# Altium PCB PCB2.PcbDoc (part 3 of 3)
Units mm, origin at the board's own origin, x right, y up, seen from the top; angles counter-clockwise.
Board outline 240 x 180 mm, 2 copper layers (Top Layer, Bottom Layer); 208 components, 303 nets, 999 pads, 430 vias.
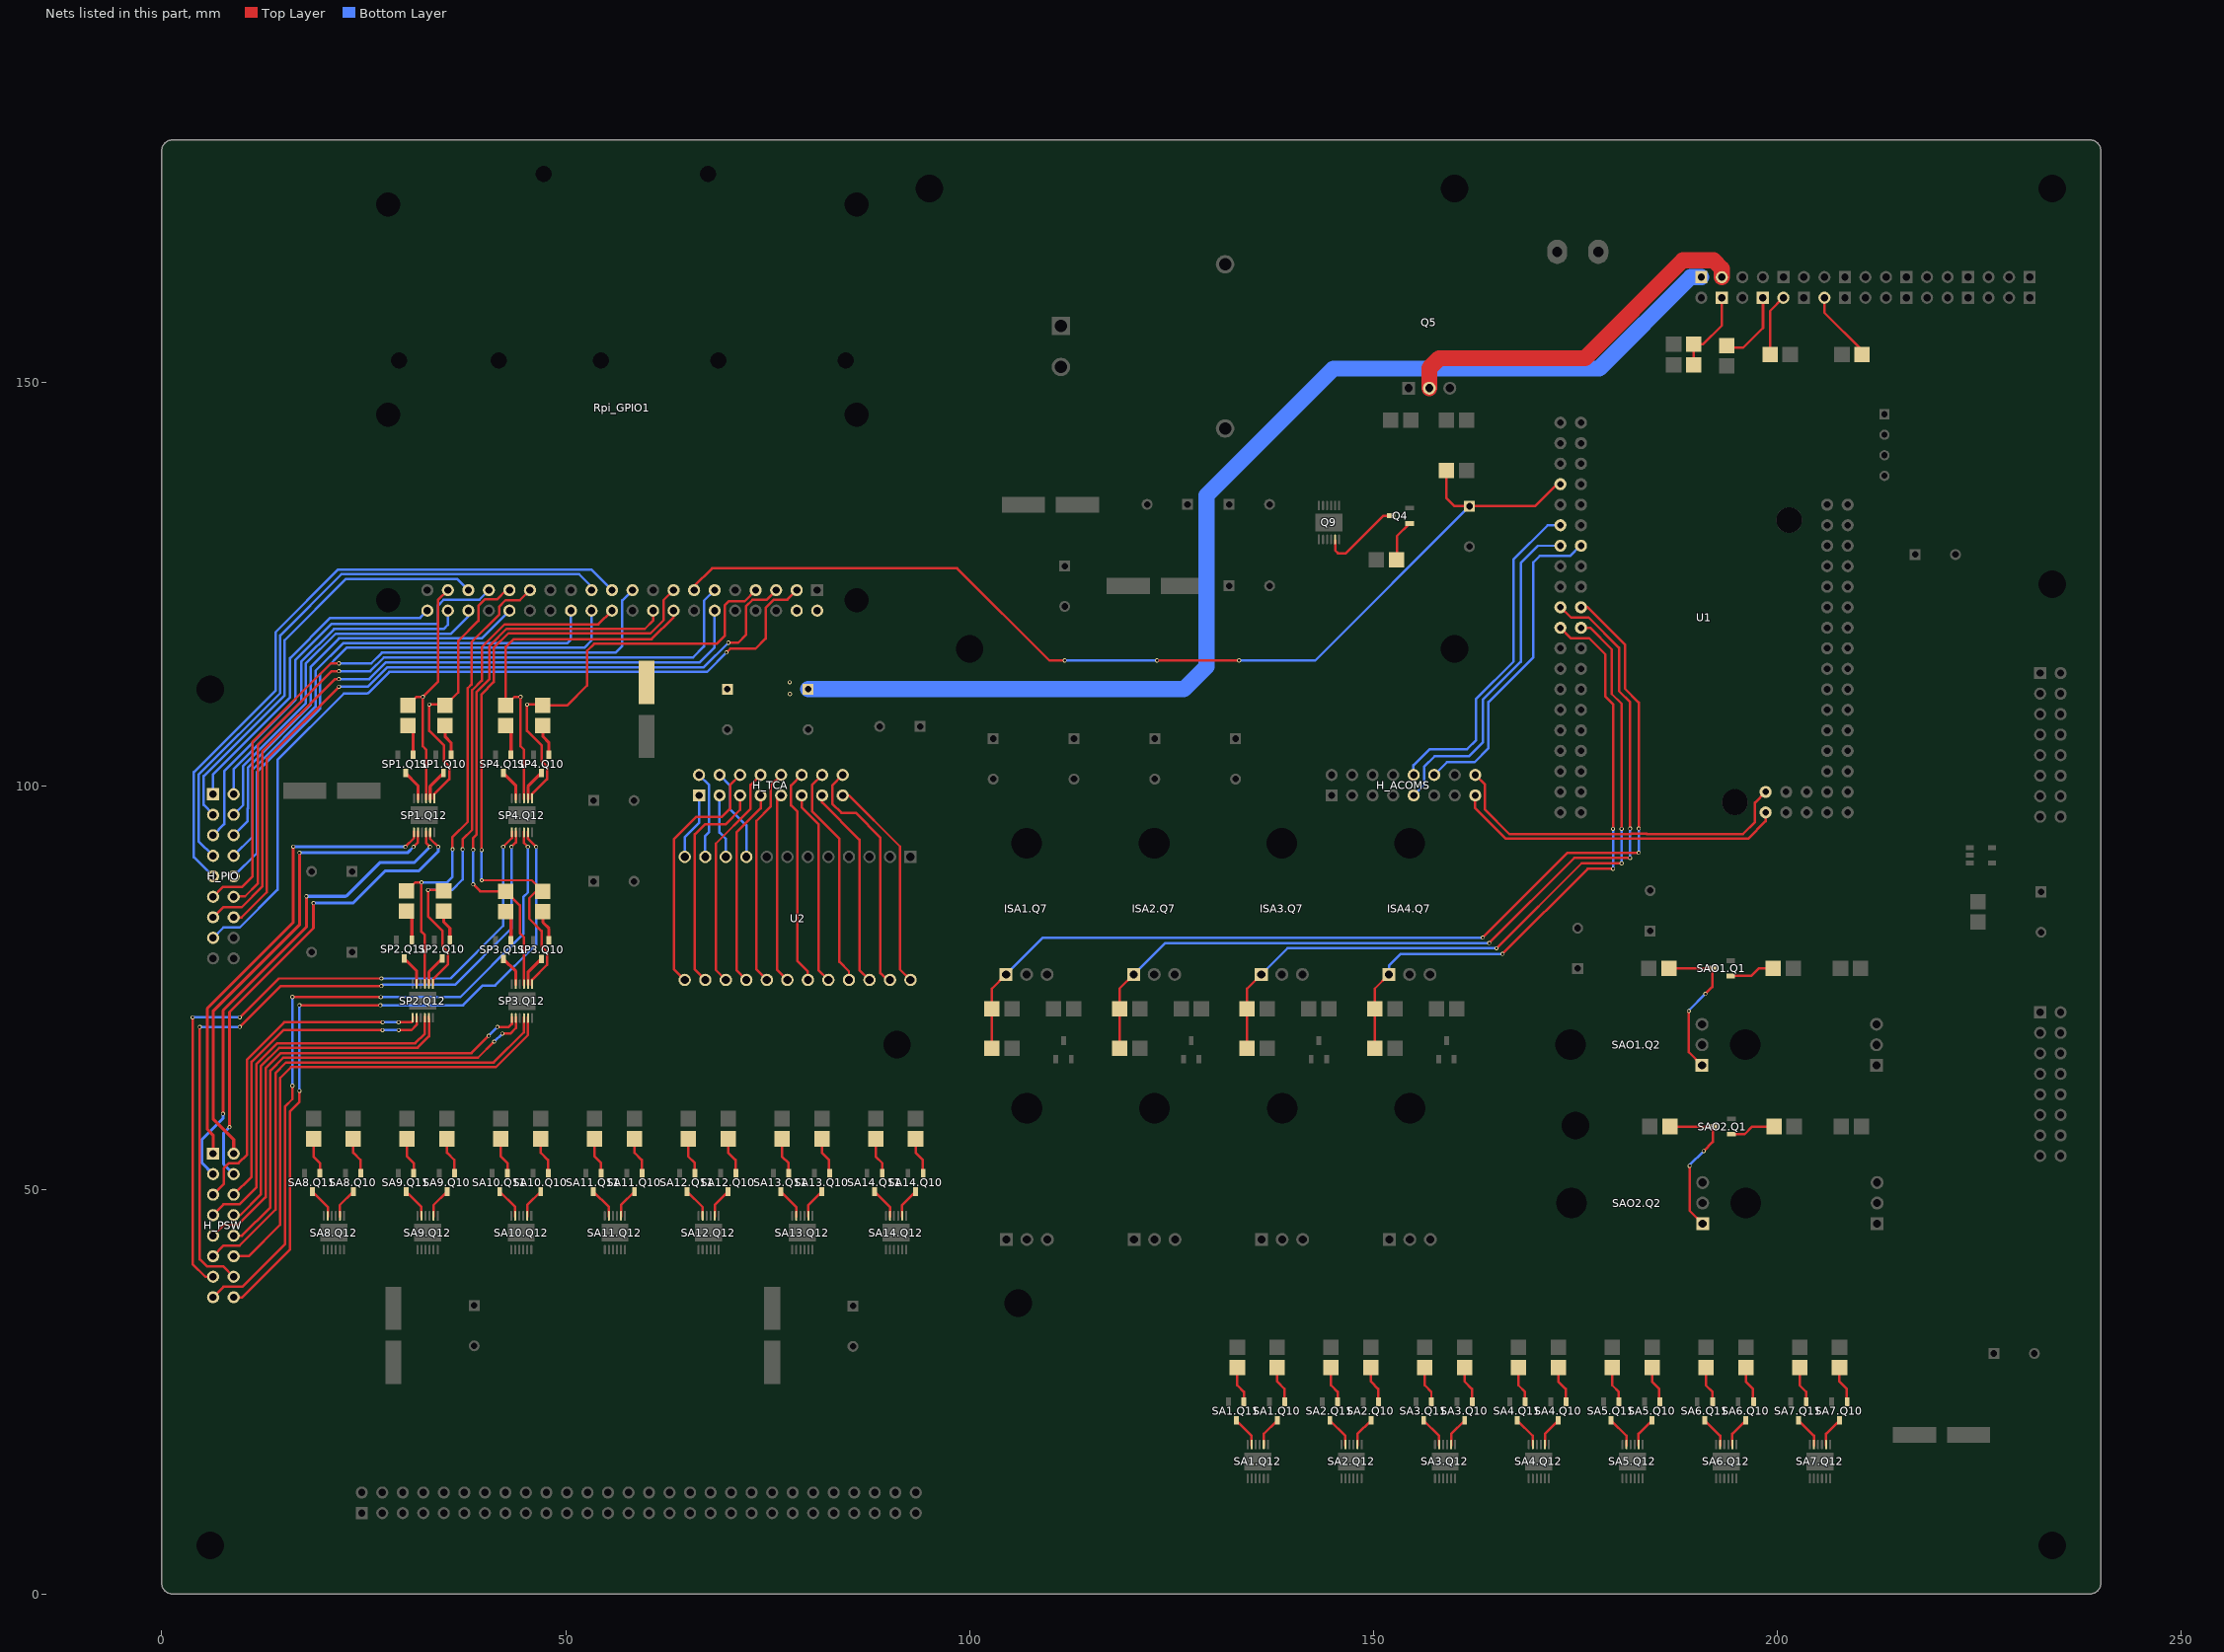
[diagram p3: the nets of this part, all layers, seen from the top]

## Via types
v1: diameter 0.5, hole 0.3, Top Layer to Bottom Layer, 422 vias
v2: diameter 1, hole 0.5, Top Layer to Bottom Layer, 8 vias

## Nets (pads, with @x,y where several pads share a name; then routed paths per layer and width w, separated by ;. In a path a pad name is that pad's centre, name@x,y a point inside that pad or via, vN(x,y) a via of type N, cw(c..) or ccw(c..) an arc to the next point about the centre after c; other vN are vias at no path point) (continued)
NetJ7_2: J7.2 Q5.2 | length 45.7
  Top Layer w2: Q5.2@156.894,149.28 156.894,151.77 158.117,152.993 176.177,152.993 188.284,165.1 192.084,165.1 193.103,164.08 J7.2@193.103,163.02
NetJ9_1: J9.1 R7.1 | length 9.3
  Top Layer w0.305: R7.1@193.684,154.3 195.744,154.3 198.183,156.74
  Top Layer w0.381: 198.183,156.74 J9.1@198.183,160.48
NetJ10_1: J10.1 R5.2 R6.1 | length 10.4
  Top Layer w0.305: R5.2@189.644,152.18 R6.1@189.644,154.7 190.77,154.7 193.103,157.033 J10.1@193.103,160.48
NetJ11_2: J11.2 R2.2 | length 9
  Top Layer w0.305: J11.2@205.803,160.48 205.803,158.63 210.474,153.96 R2.2@210.474,153.43
NetJ12_2: J12.2 R3.1 | length 7.7
  Top Layer w0.305: R3.1@199.064,153.43 199.064,158.82 J12.2@200.723,160.48
NetQ4_1: Q4.1 R10.2 | length 5.2
  Top Layer w0.305: R10.2@152.904,127.99 152.904,130.99 Q4.1@154.454,132.54
NetQ4_3: Q4.3 Q9.5 | length 10.2
  Top Layer w0.305: Q9.5@145.234,130.435 145.234,129.186 145.59,128.83 146.564,128.83 151.224,133.49 Q4.3@152.154,133.49
NetSA1.Q10_1: SA1.Q10.1 SA1.R11.2 | length 4.6
  Top Layer w0.305: SA1.R11.2@138.068,28.01 138.068,26.283 138.968,25.383 138.968,23.824 SA1.Q10.1@139.018,23.774
NetSA1.Q10_3: SA1.Q10.3 SA1.Q12.2 | length 3.8
  Top Layer w0.305: SA1.Q12.2@136.404,18.383 136.404,19.81 SA1.Q10.3@138.068,21.474
NetSA1.Q11_1: SA1.Q11.1 SA1.R12.2 | length 4.6
  Top Layer w0.305: SA1.R12.2@133.133,28.01 133.133,25.817 133.946,25.005 SA1.Q11.1@133.946,23.774 SA1.Q11.1@133.944,23.776
NetSA1.Q11_3: SA1.Q11.3 SA1.Q12.5 | length 3.9
  Top Layer w0.305: SA1.Q11.3@132.996,21.474 134.904,19.566 SA1.Q12.5@134.904,18.383
NetSA2.Q10_1: SA2.Q10.1 SA2.R11.2 | length 4.6
  Top Layer w0.305: SA2.R11.2@149.668,28.01 149.668,26.283 150.568,25.383 150.568,23.824 SA2.Q10.1@150.618,23.774
NetSA2.Q10_3: SA2.Q10.3 SA2.Q12.2 | length 3.8
  Top Layer w0.305: SA2.Q12.2@148.004,18.383 148.004,19.81 SA2.Q10.3@149.668,21.474
NetSA2.Q11_1: SA2.Q11.1 SA2.R12.2 | length 4.6
  Top Layer w0.305: SA2.R12.2@144.733,28.01 144.733,25.817 145.546,25.005 SA2.Q11.1@145.546,23.774 ; SA2.Q11.1@145.544,23.776 SA2.Q11.1@145.546,23.774
NetSA2.Q11_3: SA2.Q11.3 SA2.Q12.5 | length 3.9
  Top Layer w0.305: SA2.Q11.3@144.596,21.474 146.504,19.566 SA2.Q12.5@146.504,18.383
NetSA3.Q10_1: SA3.Q10.1 SA3.R11.2 | length 4.6
  Top Layer w0.305: SA3.R11.2@161.268,28.01 161.268,26.283 162.168,25.383 162.168,23.824 SA3.Q10.1@162.218,23.774
NetSA3.Q10_3: SA3.Q10.3 SA3.Q12.2 | length 3.8
  Top Layer w0.305: SA3.Q12.2@159.604,18.383 159.604,19.81 SA3.Q10.3@161.268,21.474
NetSA3.Q11_1: SA3.Q11.1 SA3.R12.2 | length 4.6
  Top Layer w0.305: SA3.R12.2@156.333,28.01 156.333,25.817 157.146,25.005 SA3.Q11.1@157.146,23.774 SA3.Q11.1@157.144,23.776
NetSA3.Q11_3: SA3.Q11.3 SA3.Q12.5 | length 3.9
  Top Layer w0.305: SA3.Q11.3@156.196,21.474 158.104,19.566 SA3.Q12.5@158.104,18.383
NetSA4.Q10_1: SA4.Q10.1 SA4.R11.2 | length 4.6
  Top Layer w0.305: SA4.R11.2@172.868,28.01 172.868,26.283 173.768,25.383 173.768,23.824 SA4.Q10.1@173.818,23.774
NetSA4.Q10_3: SA4.Q10.3 SA4.Q12.2 | length 3.8
  Top Layer w0.305: SA4.Q12.2@171.204,18.383 171.204,19.81 SA4.Q10.3@172.868,21.474
NetSA4.Q11_1: SA4.Q11.1 SA4.R12.2 | length 4.6
  Top Layer w0.305: SA4.R12.2@167.933,28.01 167.933,25.817 168.746,25.005 SA4.Q11.1@168.746,23.774 SA4.Q11.1@168.744,23.776
NetSA4.Q11_3: SA4.Q11.3 SA4.Q12.5 | length 3.9
  Top Layer w0.305: SA4.Q11.3@167.796,21.474 169.704,19.566 SA4.Q12.5@169.704,18.383
NetSA5.Q10_1: SA5.Q10.1 SA5.R11.2 | length 4.6
  Top Layer w0.305: SA5.R11.2@184.468,28.01 184.468,26.283 185.368,25.383 185.368,23.824 SA5.Q10.1@185.418,23.774
NetSA5.Q10_3: SA5.Q10.3 SA5.Q12.2 | length 3.8
  Top Layer w0.305: SA5.Q12.2@182.804,18.383 182.804,19.81 SA5.Q10.3@184.468,21.474
NetSA5.Q11_1: SA5.Q11.1 SA5.R12.2 | length 4.6
  Top Layer w0.305: SA5.R12.2@179.533,28.01 179.533,25.817 180.346,25.005 SA5.Q11.1@180.346,23.774 SA5.Q11.1@180.344,23.776
NetSA5.Q11_3: SA5.Q11.3 SA5.Q12.5 | length 3.9
  Top Layer w0.305: SA5.Q11.3@179.396,21.474 181.304,19.566 SA5.Q12.5@181.304,18.383
NetSA6.Q10_1: SA6.Q10.1 SA6.R11.2 | length 4.6
  Top Layer w0.305: SA6.R11.2@196.068,28.01 196.068,26.283 196.968,25.383 196.968,23.824 SA6.Q10.1@197.018,23.774
NetSA6.Q10_3: SA6.Q10.3 SA6.Q12.2 | length 3.8
  Top Layer w0.305: SA6.Q12.2@194.404,18.383 194.404,19.81 SA6.Q10.3@196.068,21.474
NetSA6.Q11_1: SA6.Q11.1 SA6.R12.2 | length 4.6
  Top Layer w0.305: SA6.R12.2@191.133,28.01 191.133,25.817 191.946,25.005 SA6.Q11.1@191.946,23.774 SA6.Q11.1@191.944,23.776
NetSA6.Q11_3: SA6.Q11.3 SA6.Q12.5 | length 3.9
  Top Layer w0.305: SA6.Q11.3@190.996,21.474 192.904,19.566 SA6.Q12.5@192.904,18.383
NetSA7.Q10_1: SA7.Q10.1 SA7.R11.2 | length 4.6
  Top Layer w0.305: SA7.R11.2@207.668,28.01 207.668,26.283 208.568,25.383 208.568,23.824 SA7.Q10.1@208.618,23.774
NetSA7.Q10_3: SA7.Q10.3 SA7.Q12.2 | length 3.8
  Top Layer w0.305: SA7.Q12.2@206.004,18.383 206.004,19.81 SA7.Q10.3@207.668,21.474
NetSA7.Q11_1: SA7.Q11.1 SA7.R12.2 | length 4.6
  Top Layer w0.305: SA7.R12.2@202.733,28.01 202.733,25.817 203.546,25.005 SA7.Q11.1@203.546,23.774 SA7.Q11.1@203.544,23.776
NetSA7.Q11_3: SA7.Q11.3 SA7.Q12.5 | length 3.9
  Top Layer w0.305: SA7.Q11.3@202.596,21.474 204.504,19.566 SA7.Q12.5@204.504,18.383
NetSA8.Q10_1: SA8.Q10.1 SA8.R11.2 | length 4.6
  Top Layer w0.305: SA8.R11.2@23.704,56.337 23.704,54.61 24.604,53.71 24.604,52.151 SA8.Q10.1@24.654,52.101
NetSA8.Q10_3: SA8.Q10.3 SA8.Q12.2 | length 3.8
  Top Layer w0.305: SA8.Q12.2@22.04,46.71 22.04,48.137 SA8.Q10.3@23.704,49.801
NetSA8.Q11_1: SA8.Q11.1 SA8.R12.2 | length 4.6
  Top Layer w0.305: SA8.R12.2@18.769,56.337 18.769,54.144 19.582,53.332 SA8.Q11.1@19.582,52.101 SA8.Q11.1@19.58,52.103
NetSA8.Q11_3: SA8.Q11.3 SA8.Q12.5 | length 3.9
  Top Layer w0.305: SA8.Q11.3@18.632,49.801 20.54,47.893 SA8.Q12.5@20.54,46.71
NetSA9.Q10_1: SA9.Q10.1 SA9.R11.2 | length 4.6
  Top Layer w0.305: SA9.R11.2@35.304,56.337 35.304,54.61 36.204,53.71 36.204,52.151 SA9.Q10.1@36.254,52.101
NetSA9.Q10_3: SA9.Q10.3 SA9.Q12.2 | length 3.8
  Top Layer w0.305: SA9.Q12.2@33.64,46.71 33.64,48.137 SA9.Q10.3@35.304,49.801
NetSA9.Q11_1: SA9.Q11.1 SA9.R12.2 | length 4.6
  Top Layer w0.305: SA9.R12.2@30.369,56.337 30.369,54.144 31.182,53.332 SA9.Q11.1@31.182,52.101 SA9.Q11.1@31.18,52.103
NetSA9.Q11_3: SA9.Q11.3 SA9.Q12.5 | length 3.9
  Top Layer w0.305: SA9.Q11.3@30.232,49.801 32.14,47.893 SA9.Q12.5@32.14,46.71
NetSA10.Q10_1: SA10.Q10.1 SA10.R11.2 | length 4.6
  Top Layer w0.305: SA10.R11.2@46.904,56.337 46.904,54.61 47.804,53.71 47.804,52.151 SA10.Q10.1@47.854,52.101
NetSA10.Q10_3: SA10.Q10.3 SA10.Q12.2 | length 3.8
  Top Layer w0.305: SA10.Q12.2@45.24,46.71 45.24,48.137 SA10.Q10.3@46.904,49.801
NetSA10.Q11_1: SA10.Q11.1 SA10.R12.2 | length 4.6
  Top Layer w0.305: SA10.R12.2@41.969,56.337 41.969,54.144 42.782,53.332 SA10.Q11.1@42.782,52.101 SA10.Q11.1@42.78,52.103
NetSA10.Q11_3: SA10.Q11.3 SA10.Q12.5 | length 3.9
  Top Layer w0.305: SA10.Q11.3@41.832,49.801 43.74,47.893 SA10.Q12.5@43.74,46.71
NetSA11.Q10_1: SA11.Q10.1 SA11.R11.2 | length 4.6
  Top Layer w0.305: SA11.R11.2@58.504,56.337 58.504,54.61 59.404,53.71 59.404,52.151 SA11.Q10.1@59.454,52.101
NetSA11.Q10_3: SA11.Q10.3 SA11.Q12.2 | length 3.8
  Top Layer w0.305: SA11.Q12.2@56.84,46.71 56.84,48.137 SA11.Q10.3@58.504,49.801
NetSA11.Q11_1: SA11.Q11.1 SA11.R12.2 | length 4.6
  Top Layer w0.305: SA11.R12.2@53.569,56.337 53.569,54.144 54.382,53.332 SA11.Q11.1@54.382,52.101 SA11.Q11.1@54.38,52.103
NetSA11.Q11_3: SA11.Q11.3 SA11.Q12.5 | length 3.9
  Top Layer w0.305: SA11.Q11.3@53.432,49.801 55.34,47.893 SA11.Q12.5@55.34,46.71
NetSA12.Q10_1: SA12.Q10.1 SA12.R11.2 | length 4.6
  Top Layer w0.305: SA12.R11.2@70.104,56.337 70.104,54.61 71.004,53.71 71.004,52.151 SA12.Q10.1@71.054,52.101
NetSA12.Q10_3: SA12.Q10.3 SA12.Q12.2 | length 3.8
  Top Layer w0.305: SA12.Q12.2@68.44,46.71 68.44,48.137 SA12.Q10.3@70.104,49.801
NetSA12.Q11_1: SA12.Q11.1 SA12.R12.2 | length 4.6
  Top Layer w0.305: SA12.R12.2@65.169,56.337 65.169,54.144 65.982,53.332 SA12.Q11.1@65.982,52.101 SA12.Q11.1@65.98,52.103
NetSA12.Q11_3: SA12.Q11.3 SA12.Q12.5 | length 3.9
  Top Layer w0.305: SA12.Q11.3@65.032,49.801 66.94,47.893 SA12.Q12.5@66.94,46.71
NetSA13.Q10_1: SA13.Q10.1 SA13.R11.2 | length 4.6
  Top Layer w0.305: SA13.R11.2@81.704,56.337 81.704,54.61 82.604,53.71 82.604,52.151 SA13.Q10.1@82.654,52.101
NetSA13.Q10_3: SA13.Q10.3 SA13.Q12.2 | length 3.8
  Top Layer w0.305: SA13.Q12.2@80.04,46.71 80.04,48.137 SA13.Q10.3@81.704,49.801
NetSA13.Q11_1: SA13.Q11.1 SA13.R12.2 | length 4.6
  Top Layer w0.305: SA13.R12.2@76.769,56.337 76.769,54.144 77.582,53.332 SA13.Q11.1@77.582,52.101 SA13.Q11.1@77.58,52.103
NetSA13.Q11_3: SA13.Q11.3 SA13.Q12.5 | length 3.9
  Top Layer w0.305: SA13.Q11.3@76.632,49.801 78.54,47.893 SA13.Q12.5@78.54,46.71
NetSA14.Q10_1: SA14.Q10.1 SA14.R11.2 | length 4.6
  Top Layer w0.305: SA14.R11.2@93.304,56.337 93.304,54.61 94.204,53.71 94.204,52.151 SA14.Q10.1@94.254,52.101
NetSA14.Q10_3: SA14.Q10.3 SA14.Q12.2 | length 3.8
  Top Layer w0.305: SA14.Q12.2@91.64,46.71 91.64,48.137 SA14.Q10.3@93.304,49.801
NetSA14.Q11_1: SA14.Q11.1 SA14.R12.2 | length 4.6
  Top Layer w0.305: SA14.R12.2@88.369,56.337 88.369,54.144 89.182,53.332 SA14.Q11.1@89.182,52.101 ; SA14.Q11.1@89.18,52.103 SA14.Q11.1@89.182,52.101
NetSA14.Q11_3: SA14.Q11.3 SA14.Q12.5 | length 3.9
  Top Layer w0.305: SA14.Q11.3@88.232,49.801 90.14,47.893 SA14.Q12.5@90.14,46.71
NetSAO1.Q1_1: SAO1.Q1.1 SAO1.R8.2 | length 5.7
  Top Layer w0.305: SAO1.Q1.1@194.213,76.506 196.756,76.506 197.706,77.456 SAO1.R8.2@199.473,77.456
NetSAO1.Q1_3: SAO1.Q1.3 SAO1.Q2.1 SAO1.R9.1 | length 19.2
  Top Layer w0.305: SAO1.R9.1@186.581,77.456 SAO1.Q1.3@191.912,77.456 191.912,75.132 v1(191.06,74.28) ; v1(189.03,72.16) 189.03,67.058 SAO1.Q2.1@190.648,65.44
  Bottom Layer w0.305: v1(189.03,72.16) 189.03,72.25 v1(191.06,74.28)
NetSAO2.Q1_1: SAO2.Q1.1 SAO2.R8.2 | length 5.7
  Top Layer w0.305: SAO2.Q1.1@194.29,56.91 195.919,56.91 196.869,57.86 SAO2.R8.2@199.55,57.86
NetSAO2.Q1_3: SAO2.Q1.3 SAO2.Q2.1 SAO2.R9.1 | length 19.2
  Top Layer w0.305: SAO2.R9.1@186.659,57.86 SAO2.Q1.3@191.99,57.86 191.99,55.96 v1(190.86,54.83) ; v1(189.12,52.99) 189.12,47.449 SAO2.Q2.1@190.725,45.844
  Bottom Layer w0.305: v1(189.12,52.99) 189.12,53.09 v1(190.86,54.83)
NetSP1.Q10_1: SP1.Q10.1 SP1.R11.2 | length 3.9
  Top Layer w0.381: SP1.R11.2@35.06,107.479 35.06,106.137 35.818,105.379 SP1.Q10.1@35.818,103.916
NetSP1.Q10_3: SP1.Q10.3 SP1.Q12.2 | length 3.9
  Top Layer w0.381: SP1.Q12.2@33.218,98.386 33.218,99.966 SP1.Q10.3@34.868,101.616
NetSP1.Q11_1: SP1.Q11.1 SP1.R12.2 | length 3.8
  Top Layer w0.381: SP1.R12.2@30.468,107.479 31.118,106.828 SP1.Q11.1@31.118,103.916
NetSP1.Q11_3: SP1.Q11.3 SP1.Q12.5 | length 3.9
  Top Layer w0.381: SP1.Q11.3@30.168,101.616 31.718,100.066 SP1.Q12.5@31.718,98.386
NetSP2.Q10_1: SP2.Q10.1 SP2.R11.2 | length 3.9
  Top Layer w0.381: SP2.R11.2@34.896,84.52 34.896,83.178 35.654,82.42 SP2.Q10.1@35.654,80.957
NetSP2.Q10_3: SP2.Q10.3 SP2.Q12.2 | length 3.9
  Top Layer w0.381: SP2.Q12.2@33.054,75.427 33.054,77.007 SP2.Q10.3@34.704,78.657
NetSP2.Q11_1: SP2.Q11.1 SP2.R12.2 | length 3.8
  Top Layer w0.381: SP2.R12.2@30.304,84.52 30.954,83.87 SP2.Q11.1@30.954,80.957
NetSP2.Q11_3: SP2.Q11.3 SP2.Q12.5 | length 3.9
  Top Layer w0.381: SP2.Q11.3@30.004,78.657 31.554,77.107 SP2.Q12.5@31.554,75.427
NetSP3.Q10_1: SP3.Q10.1 SP3.R11.2 | length 3.9
  Top Layer w0.381: SP3.R11.2@47.17,84.48 47.17,83.138 47.928,82.38 SP3.Q10.1@47.928,80.917
NetSP3.Q10_3: SP3.Q10.3 SP3.Q12.2 | length 3.9
  Top Layer w0.381: SP3.Q12.2@45.328,75.387 45.328,76.967 SP3.Q10.3@46.978,78.617
NetSP3.Q11_1: SP3.Q11.1 SP3.R12.2 | length 3.8
  Top Layer w0.381: SP3.R12.2@42.578,84.48 43.228,83.83 SP3.Q11.1@43.228,80.917
NetSP3.Q11_3: SP3.Q11.3 SP3.Q12.5 | length 3.9
  Top Layer w0.381: SP3.Q11.3@42.278,78.617 43.828,77.067 SP3.Q12.5@43.828,75.387
NetSP4.Q10_1: SP4.Q10.1 SP4.R11.2 | length 3.9
  Top Layer w0.381: SP4.R11.2@47.17,107.479 47.17,106.137 47.928,105.379 SP4.Q10.1@47.928,103.916
NetSP4.Q10_3: SP4.Q10.3 SP4.Q12.2 | length 3.9
  Top Layer w0.381: SP4.Q12.2@45.328,98.386 45.328,99.966 SP4.Q10.3@46.978,101.616
NetSP4.Q11_1: SP4.Q11.1 SP4.R12.2 | length 3.8
  Top Layer w0.381: SP4.R12.2@42.578,107.479 43.228,106.828 SP4.Q11.1@43.228,103.916
NetSP4.Q11_3: SP4.Q11.3 SP4.Q12.5 | length 3.9
  Top Layer w0.381: SP4.Q11.3@42.278,101.616 43.828,100.066 SP4.Q12.5@43.828,98.386
PI_3: H_PIO.15 Rpi_GPIO1.3 | length 101.6
  Top Layer w0.305: v1(69.89,116.55) 70.37,117.03 73.49,117.03 74.73,118.27 74.73,122.08 75.75,123.1 77.42,123.1 Rpi_GPIO1.3@78.59,124.27
  Bottom Layer w0.305: H_PIO.15@6.35,81.22 7.64,82.51 9.66,82.51 14.32,87.17 14.32,103.241 22.549,111.47 25.41,111.47 ; 25.527,111.516 28.159,114.149 67.489,114.149 v1(69.89,116.55)
PI_5: H_PIO.14 Rpi_GPIO1.5 | length 95.7
  Top Layer w0.305: H_PIO.14@8.89,83.76 9.88,83.76 12.994,86.874 12.994,103.381 v1(21.92,112.307) ; v1(70.131,117.763) 71.349,117.763 72.3,118.714 72.3,122.24 73.11,123.05 74.83,123.05 Rpi_GPIO1.5@76.05,124.27
  Bottom Layer w0.305: v1(21.92,112.307) 25.508,112.307 27.921,114.72 67.088,114.72 v1(70.131,117.763)
PI_11: H_PIO.12 Rpi_GPIO1.11 | length 88.6
  Top Layer w0.305: H_PIO.12@8.89,86.36 10.3,86.36 11.877,87.937 11.877,104.507 11.88,104.51 11.88,105.11 21.006,114.236 v1(21.92,114.236)
  Bottom Layer w0.305: v1(21.92,114.236) 25.806,114.236 27.5,115.93 65.75,115.93 67.114,117.294 67.114,122.954 Rpi_GPIO1.11@68.43,124.27
PI_12: H_PIO.13 Rpi_GPIO1.12 | length 90.3
  Top Layer w0.305: H_PIO.13@6.35,83.76 7.6,85.01 9.88,85.01 12.435,87.565 12.435,104.275 21.431,113.271 v1(21.92,113.271)
  Bottom Layer w0.305: v1(21.92,113.271) 25.675,113.271 27.744,115.34 66.59,115.34 68.43,117.18 Rpi_GPIO1.12@68.43,121.73
PI_13: C1.1 R1.1 Rpi_GPIO1.13 U1.RST@1 | length 129.5
  Top Layer w0.305: Rpi_GPIO1.13@65.89,124.27 65.89,124.756 68.114,126.98 98.45,126.98 109.86,115.57 v1(111.76,115.57) ; v1(123.19,115.57) v1(133.35,115.57) ; R1.1@159.024,139.48 159.024,135.656 160.02,134.66 C1.1@161.854,134.66 161.874,134.68 169.99,134.68 172.7,137.39 173.126,137.39
  Bottom Layer w0.305: v1(111.76,115.57) v1(123.19,115.57) ; v1(133.35,115.57) 142.764,115.57 C1.1@161.854,134.66
PI_19: H_PIO.11 Rpi_GPIO1.19 | length 80.7
  Top Layer w0.305: H_PIO.11@6.35,86.3 7.6,87.55 9.96,87.55 11.23,88.82 11.23,105.51 20.92,115.2 v1(21.92,115.2)
  Bottom Layer w0.305: v1(21.92,115.2) 25.921,115.2 27.251,116.53 56.18,116.53 57,117.35 57,123 Rpi_GPIO1.19@58.27,124.27
PI_21: H_PIO.9 Rpi_GPIO1.21 | length 81.3
  Bottom Layer w0.305: H_PIO.9@6.35,88.84 3.98,91.21 3.98,101.74 14.07,111.83 14.07,119.05 21.84,126.82 53.18,126.82 Rpi_GPIO1.21@55.73,124.27
PI_23: H_PIO.7 Rpi_GPIO1.23 | length 75
  Bottom Layer w0.305: H_PIO.7@6.35,91.38 4.55,93.18 4.55,101.42 14.66,111.53 14.66,118.67 22.22,126.23 51.67,126.23 53.19,124.71 Rpi_GPIO1.23@53.19,124.27
PI_24: H_PIO.10 Rpi_GPIO1.24 | length 68.5
  Bottom Layer w0.305: H_PIO.10@8.89,88.84 11.79,91.74 11.79,101.78 19.368,109.358 19.368,109.378 19.589,109.599 19.589,113.859 22.87,117.14 52.29,117.14 53.19,118.04 Rpi_GPIO1.24@53.19,121.73
PI_26: H_PIO.8 Rpi_GPIO1.26 | length 63.9
  Bottom Layer w0.305: H_PIO.8@8.89,91.38 11.199,93.689 11.199,96.888 11.208,96.897 11.208,102.008 19.03,109.83 19.03,114.28 22.47,117.72 50.208,117.72 50.65,118.162 Rpi_GPIO1.26@50.65,121.73
PI_32: H_PIO.6 Rpi_GPIO1.32 | length 52.3
  Bottom Layer w0.305: H_PIO.6@8.89,93.92 10.64,95.67 10.64,97.231 10.649,97.24 10.649,102.279 18.44,110.07 18.44,114.8 21.94,118.3 39.6,118.3 Rpi_GPIO1.32@43.03,121.73
PI_33: H_PIO.5 Rpi_GPIO1.33 | length 54.8
  Bottom Layer w0.305: H_PIO.5@6.35,93.92 7.73,95.3 7.73,101.85 16.56,110.68 16.56,115.64 21.02,120.1 34.22,120.1 34.2,122.4 34.88,123.08 39.3,123.08 Rpi_GPIO1.33@40.49,124.27
PI_35: H_PIO.3 Rpi_GPIO1.35 | length 52.7
  Bottom Layer w0.305: H_PIO.3@6.38,96.49 5.18,97.69 5.18,101.24 15.22,111.28 15.22,118.07 22.82,125.67 36.55,125.67 Rpi_GPIO1.35@37.95,124.27
PI_36: H_PIO.4 Rpi_GPIO1.36 | length 45.7
  Bottom Layer w0.305: H_PIO.4@8.89,96.46 10.09,97.66 10.09,102.52 17.809,110.239 17.809,115.149 21.55,118.89 35.8,118.89 37.95,121.04 Rpi_GPIO1.36@37.95,121.73
PI_38: H_PIO.2 Rpi_GPIO1.38 | length 41.7
  Bottom Layer w0.305: H_PIO.2@8.89,99 8.89,102.11 17.25,110.47 17.25,115.4 21.32,119.47 34.9,119.47 35.41,119.98 Rpi_GPIO1.38@35.41,121.73
PI_40: H_PIO.1 Rpi_GPIO1.40 | length 40.2
  Bottom Layer w0.305: H_PIO.1@6.35,99 6.35,101.48 15.87,111 15.87,115.86 20.84,120.83 31.97,120.83 Rpi_GPIO1.40@32.87,121.73
PI_HS_1: H_PSW.1 SP1.Q12.7 | length 58.9
  Top Layer w0.305: v1(30.15,92.499) 31.218,93.567 SP1.Q12.7@31.218,94.386
  Top Layer w0.381: H_PSW.1@6.354,54.5 6.354,56.806 5.63,57.53 5.63,72.48 16.27,83.12 v1(16.27,92.52)
  Bottom Layer w0.33: v1(16.27,92.52) v1@16.291,92.499
  Bottom Layer w0.381: v1@16.291,92.499 v1(30.15,92.499)
PI_HS_2: H_PSW.3 SP1.Q12.10 | length 60.3
  Top Layer w0.305: SP1.Q12.10@32.718,94.386 32.718,92.979 v1(33.198,92.499)
  Top Layer w0.381: v1(7.58,59.44) 7.58,72.24 17.89,82.55 v1(17.89,86.36)
  Bottom Layer w0.381: H_PSW.3@6.35,51.96 4.96,53.35 4.96,56.24 7.58,58.86 v1(7.58,59.44) ; v1(17.89,86.36) 22.73,86.36 22.78,86.41 22.815,86.375 26.97,90.53 31.229,90.53 v1(33.198,92.499)
PI_HS_3: H_PSW.5 SP2.Q12.7 | length 42.2
  Top Layer w0.305: H_PSW.5@6.35,49.42 7.66,50.73 7.66,52.68 8.3,53.32 9.5,53.32 10.56,54.38 10.56,66.16 15.16,70.76 v1(27.33,70.76) ; v1(29.3,70.76) 30.9,70.76 31.054,70.914 SP2.Q12.7@31.054,71.427
  Bottom Layer w0.305: v1(27.33,70.76) v1(29.3,70.76)
PI_HS_4: H_PSW.7 SP2.Q12.10 | length 46.8
  Top Layer w0.305: H_PSW.7@6.354,47.224 6.354,46.927 7.647,48.22 9.6,48.22 11.72,50.34 11.72,65.6 14.291,68.171 31.371,68.171 32.554,69.354 SP2.Q12.10@32.554,71.427
PI_HS_5: H_PSW.9 SP3.Q12.7 | length 58.1
  Top Layer w0.305: H_PSW.9@6.35,44.34 H_PSW.9@6.397,44.387 ; H_PSW.9@6.354,44.387 H_PSW.9@6.397,44.387 ; H_PSW.9@6.477,44.387 H_PSW.9@6.397,44.387 ; v1(40.47,69.09) 38.34,66.96 20.94,66.96 14.74,66.96 12.86,65.08 12.86,49.117 9.433,45.69 7.7,45.69 H_PSW.9@6.397,44.387 ; v1(41.54,70.18) 42.94,70.18 43.328,70.568 SP3.Q12.7@43.328,71.387
  Bottom Layer w0.305: v1(40.47,69.09) 40.47,69.11 v1(41.54,70.18)
PI_HS_6: H_PSW.11 SP3.Q12.10 | length 62.1
  Top Layer w0.305: H_PSW.11@6.35,41.8 7.67,43.12 9.63,43.12 14.08,47.57 14.08,64.48 15.38,65.78 20.94,65.78 41.083,65.78 44.828,69.525 SP3.Q12.10@44.828,71.387 ; H_PSW.11@6.354,41.847 H_PSW.11@6.354,42.194